# Altium PCB PCB2.PcbDoc
Units mil, origin at the board's own origin, x right, y up, seen from the top; angles counter-clockwise.
Board outline 3825 x 3280 mil, 2 copper layers (Top Layer, Bottom Layer); 34 components, 24 nets, 130 pads, 0 vias.
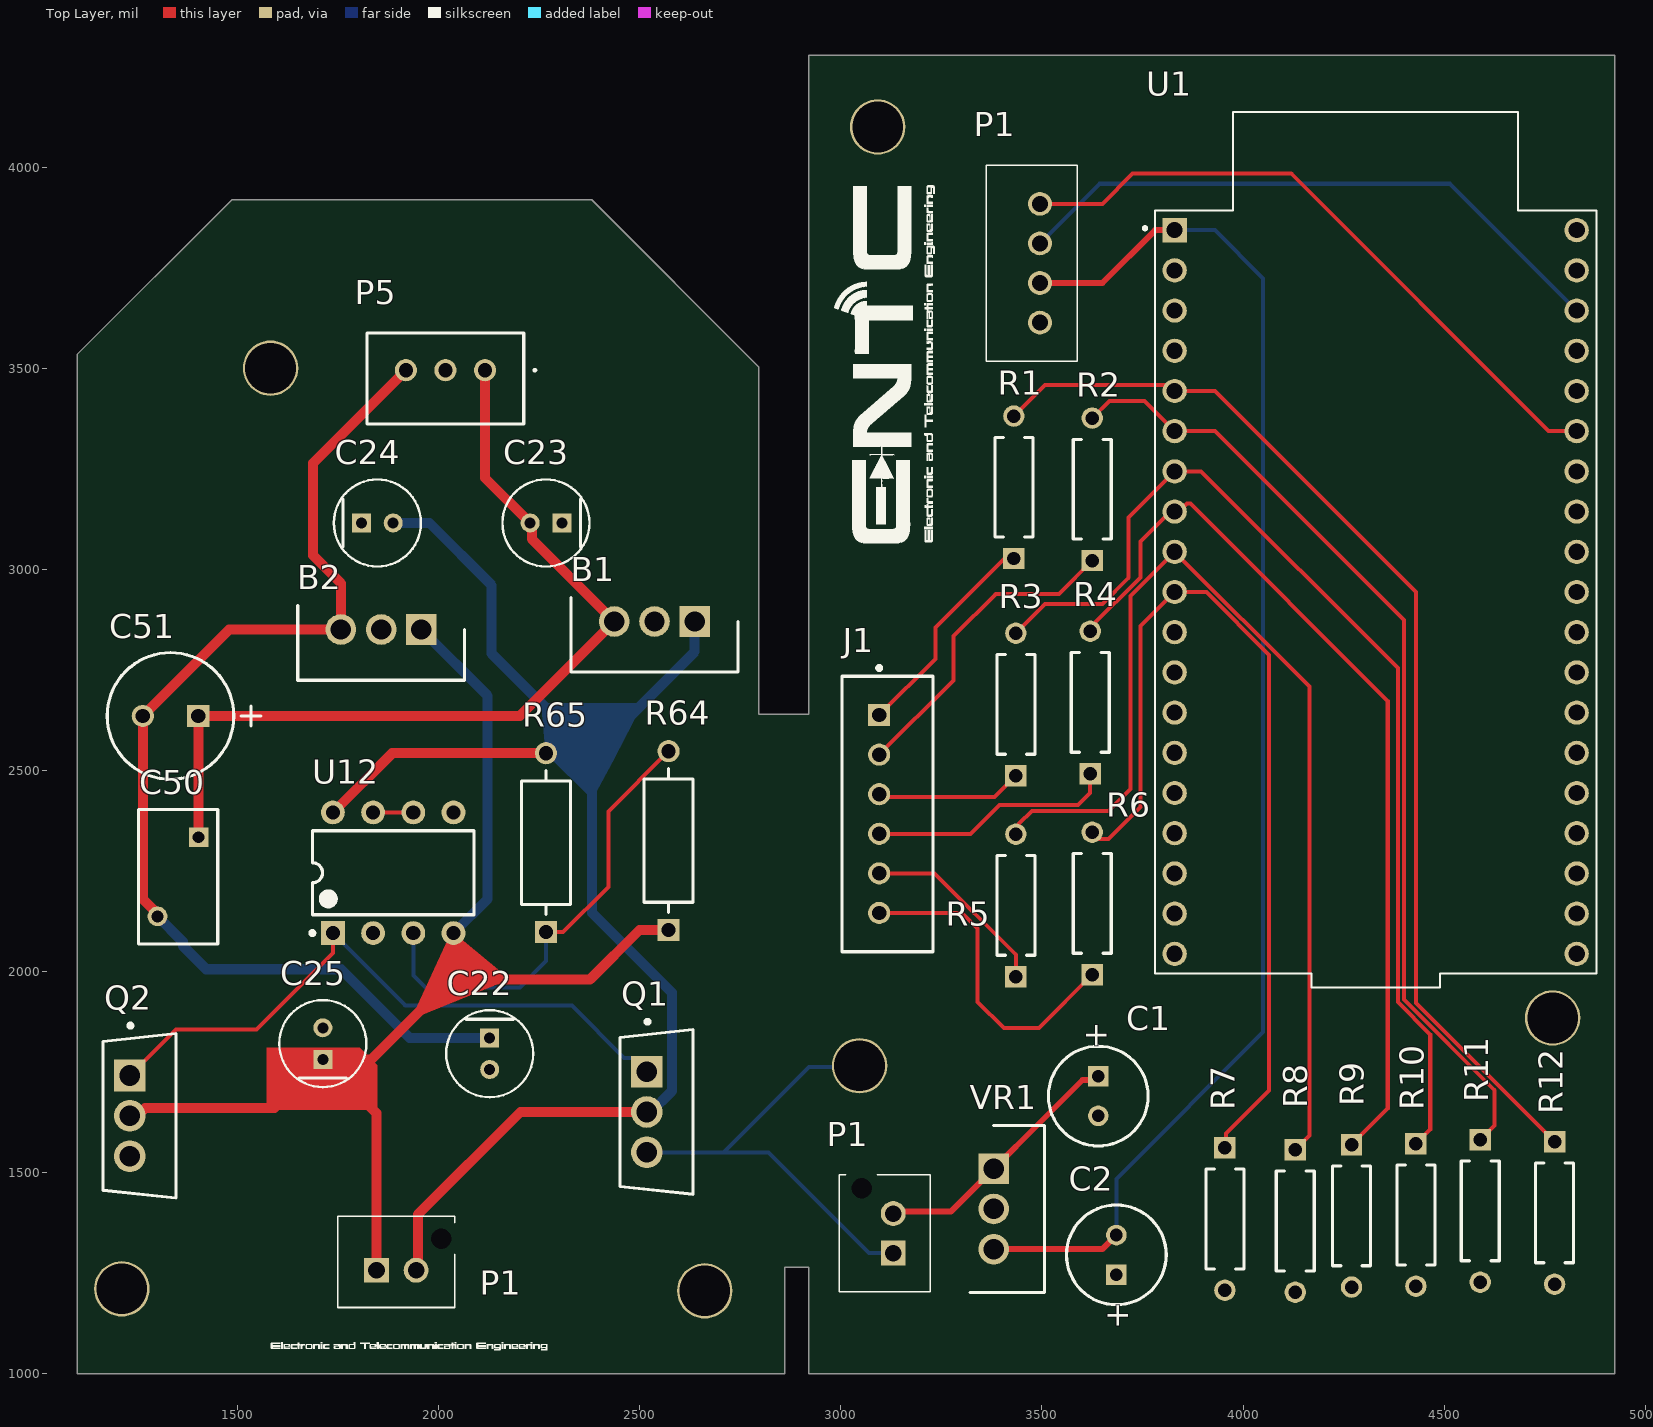
[diagram p0: Top Layer view]
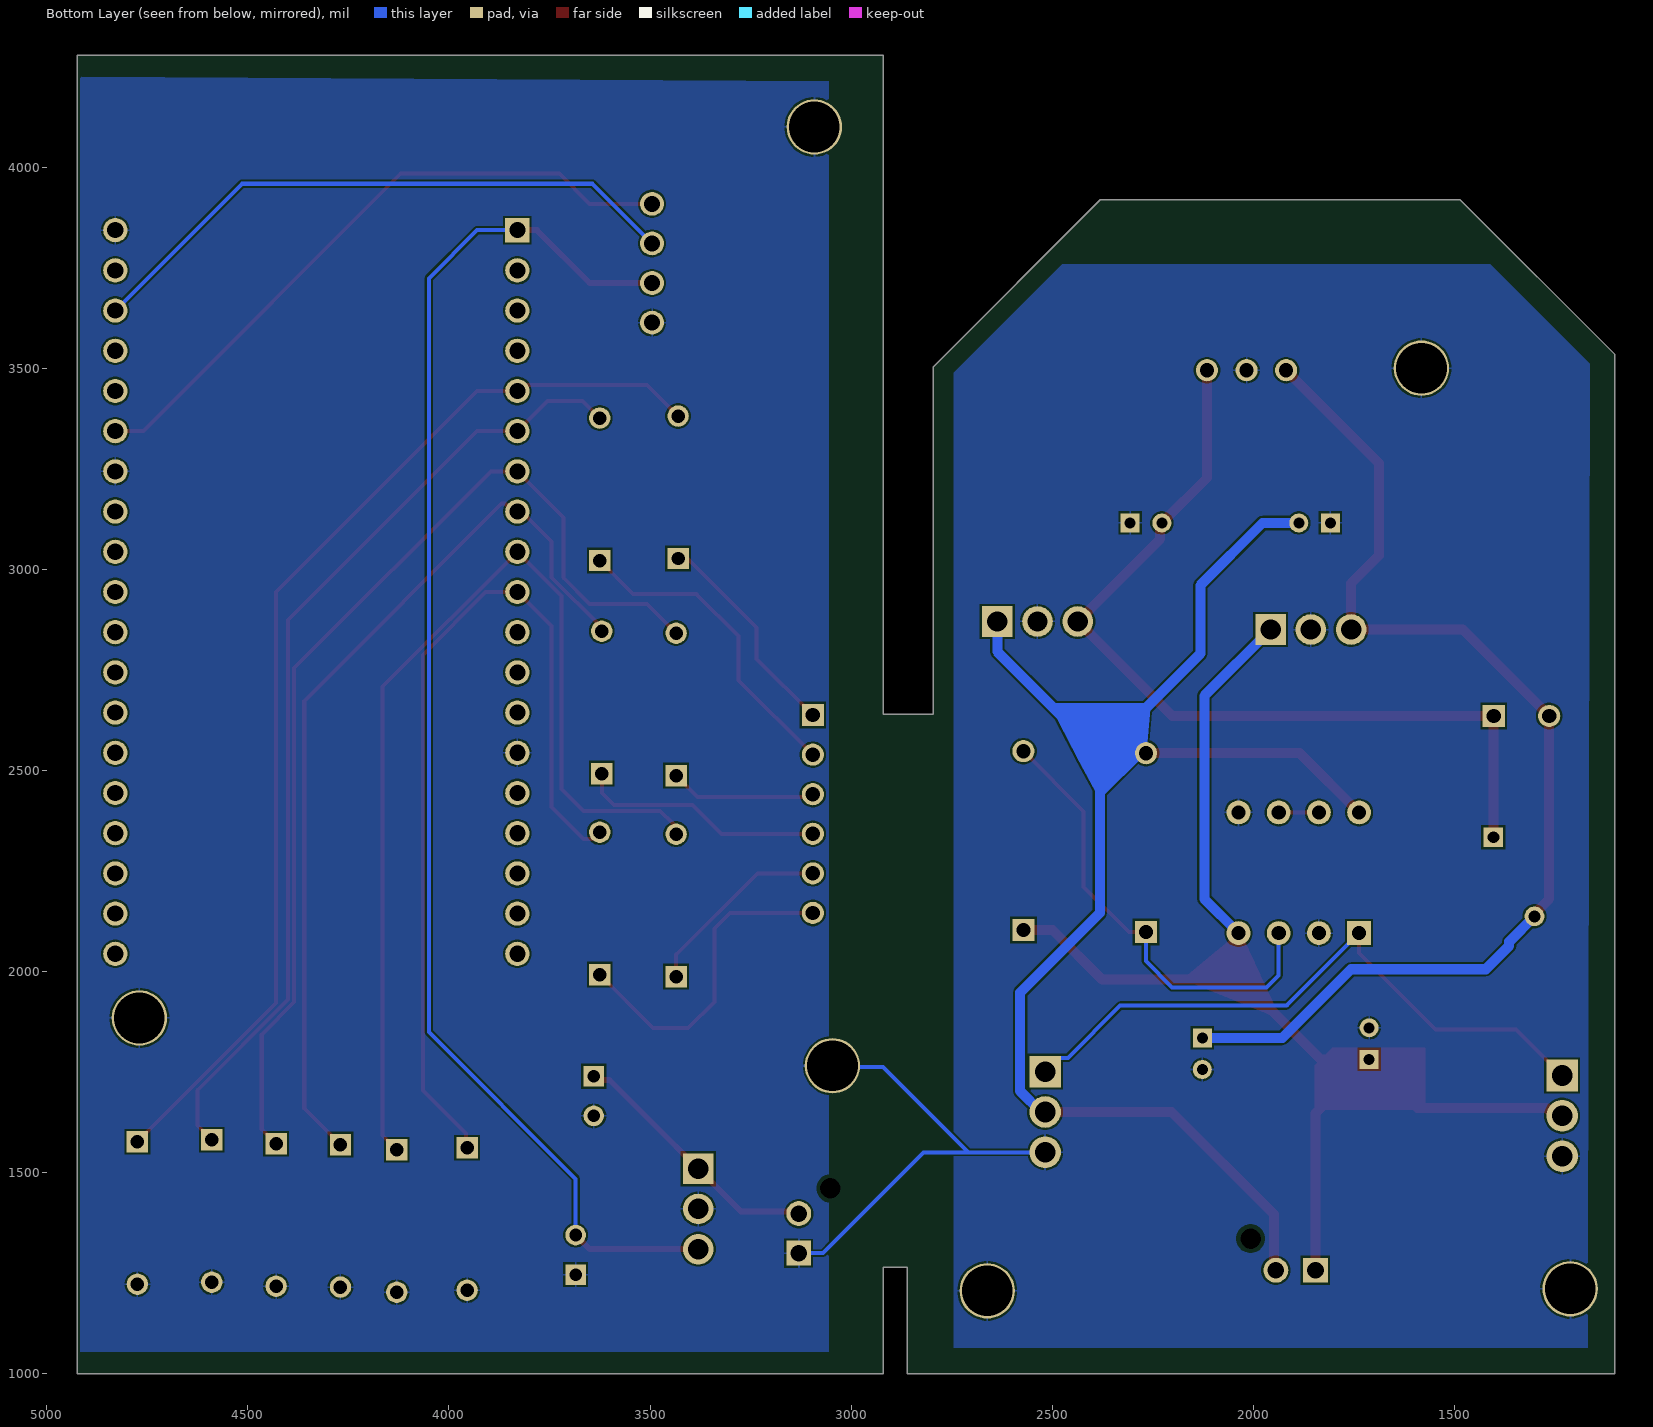
[diagram p1: Bottom Layer view, seen from below]
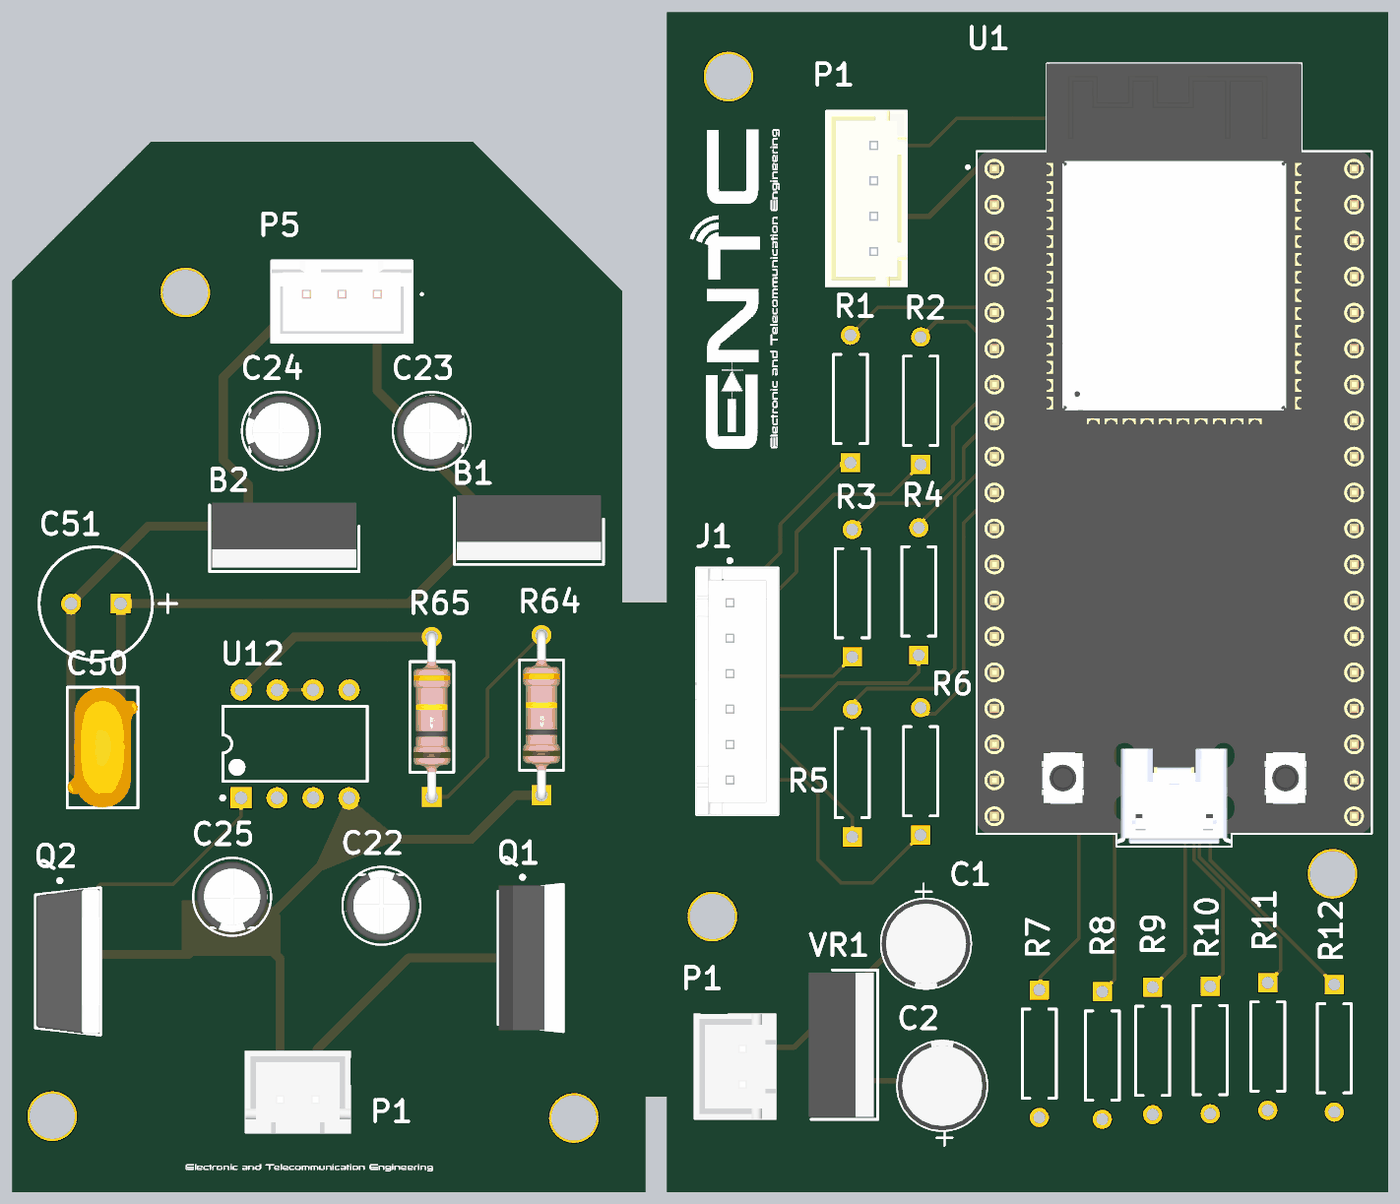
[diagram p2: 3D render of the assembled board from above, using the file's embedded part models]

## Layer stack, top to bottom
Top Solder: solder mask 0.4, Solder Resist, Dk 3.5
Top Layer: signal copper 1.4
Dielectric 1: dielectric 12.6, FR-4, Dk 4.8
Bottom Layer: signal copper 1.4
Bottom Solder: solder mask 0.4, Solder Resist, Dk 3.5

## Board outline
2860,1000 2860,1265 2920,1265 2920,1000 4925,1000 4925,4280 2920,4280 2920,2640 2795,2640 2795,3505 2380,3920 1485,3920 1100,3535 1100,1000

## Design rules (kind name [scope] priority, off if disabled: settings)
BoardOutlineClearance [All] p1: gap=7.87 ignorepadtopadclearanceinfootprint=FALSE
Clearance [All] p1: gap=5 ignorepadtopadclearanceinfootprint=FALSE except(9.84: Arc-Hole Track-Hole SMDPad-Hole THPad-Hole Via-Hole Fill-Hole Poly-Hole Region-Hole Text-Hole)
ComponentClearance [All] p1: gap=5 collisioncheckmode=3 verticalgap=5 showdistances=TRUE
DiffPairsRouting [All] p1: maxlimit=10 minlimit=5 mostfreqgap=5 toplayer_minwidth=5 toplayer_maxwidth=1000 toplayer_prefwidth=5 bottomlayer_minwidth=5 bottomlayer_maxwidth=1000 bottomlayer_prefwidth=5 maxuncoupledlength=500
Height [All] p1: minheight=0 maxheight=71497.94 prefheight=500
HoleSize [All] p1: absolutevalues=TRUE maxlimit=248.03 minlimit=11.81 maxpercent=80.000 minpercent=20.000
HoleToHoleClearance [All] p1: gap=9.84 allowstackedmicrovias=FALSE
MinimumAnnularRing [All] p1: minimumring=3
MinimumSolderMaskSliver [All] p1: minsoldermaskwidth=0
PlaneClearance [All] p1: clearance=5
PlaneConnect PlaneConnectPowerPads [InPadClass('PowerPads')] p1: planeconnectstyle=Direct reliefexpansion=20 reliefentries=4 reliefconductorwidth=10 reliefairgap=10
PlaneConnect [All] p2: pad.planeconnectstyle=Relief pad.reliefexpansion=11.81 pad.reliefentries=4 pad.reliefconductorwidth=5 pad.reliefairgap=5 via.planeconnectstyle=Direct via.reliefexpansion=11.81 via.reliefentries=4 via.reliefconductorwidth=5 via.reliefairgap=5
PolygonConnect PolygonConnectPowerPads [All vs (InPadClass('PowerPads'))] p1: connectstyle=Direct reliefconductorwidth=10 reliefentries=4 polygonreliefangle="90 Angle" airgapwidth=10
PolygonConnect [All] p2: thpad.connectstyle=Relief thpad.reliefconductorwidth=5 thpad.reliefentries=4 thpad.polygonreliefangle="90 Angle" thpad.airgapwidth=5 smdpad.connectstyle=Relief smdpad.reliefconductorwidth=5 smdpad.reliefentries=4 smdpad.polygonreliefangle="90 Angle" smdpad.airgapwidth=5 via.connectstyle=Direct via.reliefconductorwidth=5 via.reliefentries=4 via.polygonreliefangle="90 Angle" via.airgapwidth=5
RoutingVias [All] p1: holewidth=11.81 width=23.62 viastyle="Through Hole" minholewidth=11.81 minwidth=23.62 maxholewidth=23.62 maxwidth=259.84
SilkToSilkClearance [All] p1: silktosilkclearance=0
SilkToSolderMaskClearance [IsPad] p1: minsilkscreentomaskgap=5 clearancetoexposedcopper=TRUE
SolderMaskExpansion [All] p1: expansion=2.95 istentingtop=FALSE
Width Width_1 [InNet('V_POS')] p1: maxlimit=25 minlimit=10 preferedwidth=25 minimp=50.000000 maximp=50.000000 favimp=50.000000
Width Width_6 [InNet('V-')] p2: maxlimit=25 minlimit=10 preferedwidth=25 minimp=50.000000 maximp=50.000000 favimp=50.000000
Width Width_5 [InNet('V+')] p3: maxlimit=25 minlimit=10 preferedwidth=25 minimp=50.000000 maximp=50.000000 favimp=50.000000
Width Width_4 [InNet('V_NEG_POW')] p4: maxlimit=25 minlimit=10 preferedwidth=25 minimp=50.000000 maximp=50.000000 favimp=50.000000
Width Width_3 [InNet('V_NEG')] p5: maxlimit=25 minlimit=10 preferedwidth=25 minimp=50.000000 maximp=50.000000 favimp=50.000000
Width Width_2 [InNet('V_POS_POW')] p6: maxlimit=25 minlimit=10 preferedwidth=25 minimp=50.000000 maximp=50.000000 favimp=50.000000
Width [All] p7: maxlimit=25 minlimit=10 preferedwidth=10 minimp=50.000000 maximp=50.000000 favimp=50.000000
20 further rules are at their usual default settings.

## Classes and differential pairs
component class Power_Supply: B1 B2 C1 C2 C22 C23 C24 C25 C50 C51 J1 P1 P5 Q1 Q2 R1 R2 R3 R4 R5 R6 R7 R8 R9 R10 R11 R12 R64 R65 U1 U12 VR1

## Components (designator, comment, footprint, x,y, rotation, side; value= is the part's Value field where it differs from the comment)
B1 "LM7812CT" TO254P470X1028X1955-3P 2636.22,2871.22 r180 top
B2 "LM7812CT" TO254P470X1028X1955-3P 1956.22,2851.22 r180 top
C1 "" CAPPR55-250-1120X630X1220 3640,1690.79 r270 top value=0.33pF
C2 "" CAPPR55-250-1120X630X1220 3685,1295.79 r90 top value=0.1pF
C22 "EEUFC1H4R7B" FP-RAD-TH-D_5_0_5-L_11_1-MFG#1 2126.22,1796.22 r270 top
C23 "EEUFC1H4R7B" FP-RAD-TH-D_5_0_5-L_11_1-MFG#2 2266.22,3116.22 r180 top
C24 "EEUFC1H4R7B" FP-RAD-TH-D_5_0_5-L_11_1-MFG#1 1846.85,3116.22 r0 top
C25 "EEUFC1H4R7B" FP-RAD-TH-D_5_0_5-L_11_1-MFG#1 1711.22,1821.22 r90 top
C50 "18pF" FP-F471K33Y5RP6UK5R-MFG 1351.22,2236.22 r270 top
C51 "100uF" CAPPR65-350-1150X800X1250 1332.32,2636.22 r180 top
J1 "B6B-XH-A(LF)(SN)" FP-B6B-XH-A_LF_SN-MFG 3115.67,2392.36 r270 top
P1 "" B4BXHALFSN 3495,3614.72 r90 top
P1 "B2B-XH-AM_LF__SN_" B2BXHAMLFSN 3130,1300 r90 top
P1 "B2B-XH-AM_LF__SN_" B2BXHAMLFSN 1844.8,1257.48 r0 top
P5 "B3B-XH-A_LF__SN_" B3BXHALFSN 2114.65,3496.22 r180 top
Q1 "TIP31C" FP-TO-220-P0A0015988-MFG 2541.22,1651.22 r0 top
Q2 "TIP32C" FP-TO-220-P0A0015988-MFG 1255.14,1641.61 r0 top
R1 "MFR-25FBF52-221R" RESA60-630X240 3430,3205 r90 top value=5K
R2 "MFR-25FBF52-221R" RESA60-630X240 3625,3200 r90 top value=5K
R3 "MFR-25FBF52-221R" RESA60-630X240 3435,2665 r90 top value=5K
R4 "MFR-25FBF52-221R" RESA60-630X240 3620,2670 r90 top value=5K
R5 "MFR-25FBF52-221R" RESA60-630X240 3435,2165 r90 top value=5K
R6 "MFR-25FBF52-221R" RESA60-630X240 3625,2170 r90 top value=5K
R7 "MFR-25FBF52-221R" RESA60-630X240 3955,1385 r270 top value=5K
R8 "MFR-25FBF52-221R" RESA60-630X240 4130,1380 r270 top value=5K
R9 "MFR-25FBF52-221R" RESA60-630X240 4270,1392.83 r270 top value=5K
R10 "MFR-25FBF52-221R" RESA60-630X240 4430,1395 r270 top value=5K
R11 "MFR-25FBF52-221R" RESA60-630X240 4590,1405 r270 top value=5K
R12 "MFR-25FBF52-221R" RESA60-630X240 4775,1400 r270 top value=5K
R64 "100k 1W" FP-RR01-MFG 2571.22,2326.22 r90 top
R65 "100k 1W" FP-RR01-MFG 2266.22,2321.22 r90 top
U1 "ESP32-DEVKITC" MODULE_ESP32-DEVKITC 4330,2945 r0 top
U12 "LM358P" P0008A 1886.22,2246.22 r90 top
VR1 "LM3940IT-3.3_NOPB" TO254P470X1028X1955-3P 3380,1510 r270 top

## Footprints (in the part's own frame and the unit in brackets; to place one, negate y for a bottom-side part, rotate by r counter-clockwise, add the part's x,y. Pads: shape width x height; smd on the part's side, far side on the other; paste and mask are expansions set on the pad)
B2BXHAMLFSN [mm]
  rect 1.575x1.575 hole 1.05: 1(0,0)
  round 1.575 hole 1.05: 2(2.5,0)
  round 0.65 hole 1.3 unplated: MH1(4.1,2)
  silkscreen extent -2.45,-2.35 4.95,3.4, body extent -2.45,-2.36 4.95,3.39, height 6.9
B3BXHALFSN [mm]
  round 1.4 hole 0.9: 1(0,0) 2(2.5,0) 3(5,0)
  silkscreen extent -3.2,-2.35 7.45,3.4, body extent -2.45,-2.35 7.45,3.4, height 7.09
B4BXHALFSN [mm]
  round 1.5 hole 1: 1(0,0) 2(2.5,0) 3(5,0) 4(7.5,0)
  silkscreen extent -2.45,-2.35 9.95,3.4, body extent -2.45,-2.35 9.95,3.4, height 7.52
CAPPR55-250-1120X630X1220 [mm] "THD, 2-Leads, Dia 6.3mm, Pin Spacing 2.5mm"
  rect 1.3x1.3 hole 0.8: 1(-1.25,0)
  round 1.3 hole 0.8: 2(1.25,0)
  silkscreen extent -3.15,-3.15 3.15,3.15, body extent -3.15,-3.15 3.16,3.15, height 12.21
CAPPR65-350-1150X800X1250 [mm] "THD, 2-Leads, Dia 8mm, Body 11.5mm"
  rect 1.4x1.4 hole 0.9: 1(-1.75,0)
  round 1.4 hole 0.9: 2(1.75,0)
  silkscreen extent -5.72,-4 4,4, body extent -4,-4 4,4, height 12.5
FP-B6B-XH-A_LF_SN-MFG [mm]
  rect 1.4x1.4 hole 0.9 paste-1000 mask+0: 1(-6.25,-0.525)
  round 1.4 hole 0.9 paste-1000 mask+0: 2(-3.75,-0.525) 3(-1.25,-0.525) 4(1.25,-0.525) 5(3.75,-0.525) 6(6.25,-0.525)
  silkscreen extent -9.35,-2.88 8.7,2.88, body extent -8.8,-2.98 8.8,2.98, height 0.25
FP-F471K33Y5RP6UK5R-MFG [mm]
  rect 1.25x1.25 hole 0.75 paste-1000 mask+0: 1(-2.5,1.3)
  round 1.25 hole 0.75 paste-1000 mask+0: 2(2.5,-1.3)
  silkscreen extent -4.25,-2.5 4.25,2.5, body extent -4.35,-2.6 4.35,2.6, height 0.25
FP-RAD-TH-D_5_0_5-L_11_1-MFG#1 [mm]
  rect 1.2x1.2 hole 0.7 paste-1000 mask+0: 1(-1,0)
  round 1.2 hole 0.7 paste-1000 mask+0: 2(1,0)
  silkscreen extent -2.75,-2.75 2.75,2.75, body extent -2.85,-2.85 2.85,2.85, height 0.25
FP-RAD-TH-D_5_0_5-L_11_1-MFG#2 [mm]
  rect 1.2x1.2 hole 0.7 paste-1000 mask+0: 1(-1,0)
  round 1.2 hole 0.7: 2(1,0)
  silkscreen extent -2.75,-2.75 2.75,2.75, body extent -2.85,-2.85 2.85,2.85, height 0.25
FP-RR01-MFG [mm]
  rect 1.4x1.4 hole 0.9 paste-1000 mask+0: 1(-5.65,0)
  round 1.4 hole 0.9 paste-1000 mask+0: 2(5.65,0)
  silkscreen extent -4.55,-1.55 4.55,1.55, body extent -6.45,-1.65 6.45,1.65, height 0.25
FP-TO-220-P0A0015988-MFG [mm]
  rect 2x2 hole 1.3 paste-1000 mask+0: 1(-0.607,2.55)
  round 2 hole 1.3 paste-1000 mask+0: 2(-0.607,0) 3(-0.607,-2.55)
  silkscreen extent -2.3,-5.2 2.3,5.82, body extent -2.4,-5.3 2.4,5.3, height 0.25
MODULE_ESP32-DEVKITC [mm]
  rect 1.53x1.53 / inner round 1.53 / far side rect 1.53x1.53 hole 1.02: 1(-12.7,22.85)
  round 1.53 hole 1.02: 2(-12.7,20.31) 3(-12.7,17.77) 4(-12.7,15.23) 5(-12.7,12.69) 6(-12.7,10.15) 7(-12.7,7.61) 8(-12.7,5.07) 9(-12.7,2.53) 10(-12.7,-0.01) 11(-12.7,-2.55) 12(-12.7,-5.09) 13(-12.7,-7.63) 14(-12.7,-10.17) 15(-12.7,-12.71) 16(-12.7,-15.25) 17(-12.7,-17.79) 18(-12.7,-20.33) 19(-12.7,-22.87) 20(12.7,-22.87) 21(12.7,-20.33) 22(12.7,-17.79) 23(12.7,-15.25) 24(12.7,-12.71) 25(12.7,-10.17) 26(12.7,-7.63) 27(12.7,-5.09) 28(12.7,-2.55) 29(12.7,-0.01) 30(12.7,2.53) 31(12.7,5.07) 32(12.7,7.61) 33(12.7,10.15) 34(12.7,12.69) 35(12.7,15.23) 36(12.7,17.77) 37(12.7,20.31) 38(12.7,22.85)
  silkscreen extent -14.67,-25 13.95,30.3, body extent -13.97,-24.8 13.97,30.3, height 3.25
P0008A [mm] "DIP, 8-Leads, Body 10.15x6.6mm, Pitch 2.54mm"
  rect 1.5x1.5 hole 0.9: 1(-3.81,3.81)
  round 1.5 hole 0.9: 2(-3.81,1.27) 3(-3.81,-1.27) 4(-3.81,-3.81) 5(3.81,-3.81) 6(3.81,-1.27) 7(3.81,1.27) 8(3.81,3.81)
  silkscreen extent -3.93,-5.1 2.65,5.23, body extent -3.95,-5.07 3.95,5.07, height 5.08
RESA60-630X240 [mm] "Axial Resistor, 2-Leads, Dia 2.4mm, Body Length 6.3mm"
  rect 1.35x1.35 hole 0.85: 1(-4.5,0)
  round 1.35 hole 0.85: 2(4.5,0)
  silkscreen extent -3.15,-1.2 3.15,1.2, body extent -4.77,-1.19 4.77,1.2, height 2.4
TO254P470X1028X1955-3P [mm]
  rect 1.935x1.935 hole 1.29: 1(0,0)
  round 1.935 hole 1.29: 2(2.54,0) 3(5.08,0)
  silkscreen extent -2.73,-1.5 7.81,3.2, body extent -2.54,-1.67 7.62,2.9, height 18.64

## Part data
B1 B2: "Integrated Circuit", Manufacturer_Name="Texas Instruments", Mouser Part Number=926-LM7812CT, Datasheet Link=http://www.ti.com/lit/ds/symlink/lm7800.pdf, Height=4.7mm, Manufacturer_Part_Number=LM7812CT, Mouser Price/Stock=https://www.mouser.co.uk/ProductDetail/Texas-Instruments/LM7812CT?qs=QbsRYf82W3EQj7KGft8TFg%3D%3D
C1 C2: library part CMP-001-00031-7, "Aluminum Electrolytic Capacitor, 47 uF, +/-20%, 50 V, -40 to 85 degC, 2-Pin THD, RoHS, Bulk", Capacitor Type=Electrolytic, Case/Package=Radial, Manufacturer=Panasonic, Max Operating Temperature=85°C, Min Operating Temperature=-40°C, Package Description="2-Pin Radial Lead, Dia 6.3 mm, Height 12.2 mm", Package Quantity=200, Package Reference=CAPPR55-250-1120X630X1220, Ripple Current=130mA, Tolerance=20%, Voltage Rating=50V, Datasheet URL=https://industrial.panasonic.com/cdbs/www-data/pdf/RDF0000/DMF0000COL72.pdf, Datasheet Version=Apr-16, Diameter=6.3mm, Lead Pitch=2.5mm, Manufacturer URL=http://www.panasonic.com/, Mounting Technology=TH, Packaging=Bulk, Pins=2, Ripple Current (AC)=130mA, RoHS Compliant=True
C22 C23 C24 C25: library part CMP-05427-000609-1, "Aluminum Electrolytic Capacitors (Radial Lead Type) AEC-Q200 Qualified 4.7uF ±20% 50V", Case/Package=Radial, ESR (Equivalent Series Resistance)=1.3R, Max Operating Temperature=105°C, Min Operating Temperature=-55°C, Package Quantity=2000, Ratings=AEC-Q200, Ripple Current=95mA, Tolerance=20%, Voltage Rating=50V, Contact Plating=Tin, Diameter=5mm, Features="General Purpose", Height=11mm, Height - Seated (Max)=0.472inch, Impedance=1.3R, Lead Diameter=0.5mm, Lead Pitch=5mm, Length=11mm, Life (Hours)=1000Hour, Mount="Through Hole", Packaging="Tape and Reel", Polarity=Polar, Radiation Hardening=No, RoHS Compliant=Yes, Series=FC, Termination=Radial, Voltage Rating (DC)=50V
C50: library part CMP-02417-000080-1, "CAP CER 470PF 2KV Y5R RADIAL", Capacitance=470pF, Case/Package=Radial, Dielectric=Y5R, Dielectric Material=Ceramic, Insulation Resistance=10GR, Max Operating Temperature=125°C, Min Operating Temperature=-30°C, Package Quantity=1500, Tolerance=10%, Voltage=2kV, Construction=RADIAL, Depth=5mm, Lead Diameter=0.8mm, Lead Pitch=5mm, Lead/Base Style=Kinked, Length=8.5mm, Mount="Through Hole", Packaging="Tape and Reel", Radiation Hardening=No, Resistor Type=Ceramic, RoHS Compliant=Yes, Series=F, Termination=Radial, Voltage Rating=2kV
C51: library part CMP-1665-00042-2, "Aluminum Electrolytic Capacitor, 100 uF, +/- 20%, 50 V, -40 to 85 degC, 2-Pin THD, RoHS, Bulk", Case/Package=Radial, Dielectric Material=Aluminium, Leakage Current=3uA, Manufacturer=Panasonic, Max Operating Temperature=85degC, Min Operating Temperature=-40degC, Package Description="2-Pin Radial Lead, Dia 8 mm, Height 12.5 mm", Package Quantity=200, Package Reference=CAPPR65-350-1150X800X1250, Ripple Current=250mA, Tolerance=20%, Voltage=50V, Capacitance=100uF, Datasheet URL=https://industrial.panasonic.com/cdbs/www-data/pdf/RDF0000/ABA0000C1218.pdf, Datasheet Version="Rev. 05, 10/2016", Diameter=8mm, Dissipation Factor=0.12%, Height=11.5mm, Height - Seated (Max)=0.492inch, Lead Diameter=0.6mm, Lead Free=LeadFree, Lead Pitch=3.5mm, Lead/Base Style=Straight, Length=11.5mm, Life (Hours)=2000Hour, Manufacturer URL=http://www.panasonic.com/, Mount=ThroughHole, Number of Pins=2, Packaging=Bulk, Polarity=Polar, Radiation Hardening=No, REACH SVHC=NoSVHC, Ripple Current (AC)=250mA, RoHSCompliant=true, Termination=Radial, Voltage Rating=50V, Voltage Rating (DC)=50V
J1: library part CMP-17439-000076-1, "CONN HEADER VERT 6POS 2.5MM"
P1: library part B4B-XH-A_LF__SN_, "Connector", Arrow Part Number=B4B-XH-A(LF)(SN), Manufacturer_Name="JST (JAPAN SOLDERLESS TERMINALS)", Arrow Price/Stock=https://www.arrow.com/en/products/b4b-xh-a-lf-sn/jst-manufacturing?region=europe, Datasheet Link=https://datasheet.lcsc.com/szlcsc/JST-Sales-America-B4B-XH-A-LF-SN_C144395.pdf, Height=7mm, Manufacturer_Part_Number=B4B-XH-A(LF)(SN)
P1 P1: "Connector", Arrow Part Number=B2B-XH-AM(LF)(SN), Manufacturer_Name="JST (JAPAN SOLDERLESS TERMINALS)", Arrow Price/Stock=https://www.arrow.com/en/products/b2b-xh-am-lf-sn/jst-manufacturing?region=europe, Datasheet Link=https://www.jst-mfg.com/product/pdf/eng/eXH.pdf, Height=7mm, Manufacturer_Part_Number=B2B-XH-AM(LF)(SN)
P5: "Connector", Arrow Part Number=B3B-XH-A(LF)(SN), Manufacturer_Name="JST (JAPAN SOLDERLESS TERMINALS)", Arrow Price/Stock=https://www.arrow.com/en/products/b3b-xh-a-lf-sn/jst-manufacturing?region=europe, Datasheet Link=https://datasheet.lcsc.com/szlcsc/1812131720_JST-Sales-America-B3B-XH-A-LF-SN_C144394.pdf, Height=7mm, Manufacturer_Part_Number=B3B-XH-A(LF)(SN)
Q1: library part CMP-12195-000001-1, "TRANS NPN 100V 3A TO-220", Collector Base Voltage=100V, Collector Emitter Saturation Voltage=1.2V, Emitter Base Voltage=5V, Manufacturer=STMicroelectronics, Max Collector Current=3A, Max Junction Temp=+150°C, Package=TO-220-P0A0015988, Power Dissipation=2W, Temperature="to +150°C", Automotive=No, Category=Trans, Collector Emitter Voltage=100V, ComponentLink2Description=Datasheet, ComponentLink2URL=https://www.st.com/resource/en/datasheet/tip31c.pdf, Device Class L1="Discrete Semiconductors", Device Class L2=Transistors, Device Class L3=BJTs, Digikey Description="TRANS NPN 100V 3A TO-220", Height=19.68mm, Hfe Max=50, Hfe Min=10, Hfe Testic=3A, Hfe Testvce=4V, Lead Free=Yes, Manufacturer Part Number=TIP31C, Mouser Description="Bipolar Transistors - BJT NPN Gen Pur Power", Number Of Elements=1, Number Of Npn=1, Octopart=https://octopart.com/tip31c-stmicroelectronics-15555, RoHS=TRUE, Standoff Height=3.5mm, Temperature Range High=+150°C
Q2: library part CMP-12195-000005-1, "TRANS PNP 100V 3A TO-220", Collector Base Voltage=-100V, Collector Emitter Saturation Voltage=-1.2V, Emitter Base Voltage=-5V, Manufacturer=STMicroelectronics, Max Collector Current=-3A, Max Junction Temp=+150°C, Package=TO-220-P0A0015988, Power Dissipation=2W, Temperature="to +150°C", Automotive=No, Category=Trans, Collector Emitter Voltage=-100V, ComponentLink2Description=Datasheet, ComponentLink2URL=https://www.st.com/resource/en/datasheet/tip32c.pdf, Device Class L1="Discrete Semiconductors", Device Class L2=Transistors, Device Class L3=BJTs, Digikey Description="TRANS PNP 100V 3A TO-220", Height=19.68mm, Hfe Max=50, Hfe Min=10, Hfe Testic=-3A, Hfe Testvce=-4V, Lead Free=Yes, Manufacturer Part Number=TIP32C, Mouser Description="Original ST Microelectronics Transistor, 100V, 3A, .22 Ohm, TO-220 Package", Number Of Elements=1, Number Of Pnp=1, Octopart=https://octopart.com/tip32c-stmicroelectronics-353617, RoHS=TRUE, Standoff Height=3.5mm, Temperature Range High=+150°C
R1 R2 R3 R4 R5 R6 R7 R8 R9 R10 R11 R12: library part CMP-009-00051-4, Case/Package=Axial, Manufacturer=Yageo, Max Operating Temperature=155°C, Min Operating Temperature=-55°C, Package Description="2-Pin Axial Lead, Dia 2.4 mm, Body Length 6.3 mm", Package Quantity=200, Package Reference=MFR-25, Power=250mW, Tolerance=1%, Voltage Rating=250V, Datasheet URL=http://www.yageo.com/documents/recent/Yageo%20LR_MFR_2013.pdf, Datasheet Version=Apr-13, Manufacturer URL=http://www.yageo.com/, Mounting Technology=TH, Packaging=Bulk, RoHS Compliant=True
R64 R65: library part CMP-03212-000008-1, "RES 100K OHM 5% 1W AXIAL", Case/Package=Metal, Max Operating Temperature=155°C, Min Operating Temperature=-55°C, Number of Resistors=1, Package Quantity=5000, Power Rating=1W, Resistance=100kR, Resistor Type="Power resistor", Temperature Coefficient=300ppm/°C, Tolerance=5%, Voltage Rating=350V, Diameter=2.6mm, ELV=Compliant, Length=6.8mm, Mount=Axial, Number of Terminations=2, Packaging="Ammo Pack", RoHS Compliant=Yes, Series=RR, Termination=Axial
U1: library part CMP-035-000000-1, "ESP32-WROOM-32UE series Transceiver; 802.11 b/g/n (Wi-Fi, WiFi, WLAN), Bluetooth Â® Smart Ready 4.x Dual Mode Evaluation Board", Package=None, Availability="In Stock", Check_prices=https://www.snapeda.com/parts/ESP32-DEVKITC/Espressif+Systems/view-part/?ref=eda, Component Type=Standard, Design Item ID=ESP32-DEVKITC, MF="Espressif Systems", MP=ESP32-DEVKITC, Pin Count=38, Price=None, Purchase-URL=https://pricing.snapeda.com/search/part/ESP32-DEVKITC/?ref=eda, SnapEDA_Link=https://www.snapeda.com/parts/ESP32-DEVKITC/Espressif+Systems/view-part/?ref=snap, Source=ESP32-DEVKITC.SchLib
U12: library part CMP-2000-06549-1, "Dual Operational Amplifier, 3 to 32 V, 0 to 70 degC, 8-Pin PDIP (P), RoHS, Tape and Reel", Manufacturer="Technik Industrial", Package Description="8-Pin Double In-line Package, Body 9.59 x 6.35 mm, Pitch 2.54 mm", Package Reference=P8, Datasheet URL=http://www.ti.com/lit/ds/symlink/lm358.pdf, Datasheet Version="Rev. T, 04/2015", Manufacturer URL=http://www.technik.com.hk/, Mounting Technology=ThroughHole, Package URL=http://www.ti.com/lit/ml/mpdi001b/mpdi001b.pdf
VR1: "Integrated Circuit", Arrow Part Number=LM3940IT-3.3/NOPB, Manufacturer_Name="Texas Instruments", Mouser Part Number=926-LM3940IT-3.3NOPB, Arrow Price/Stock=https://www.arrow.com/en/products/lm3940it-3.3nopb/texas-instruments?region=nac, Datasheet Link=http://www.ti.com/general/docs/lit/getliterature.tsp?genericPartNumber=LM3940&&fileType=pdf, Height=4.7mm, Manufacturer_Part_Number=LM3940IT-3.3/NOPB, Mouser Price/Stock=https://www.mouser.co.uk/ProductDetail/Texas-Instruments/LM3940IT-3.3-NOPB?qs=QbsRYf82W3FGrjqcSAbcdA%3D%3D

## Free pads (board coordinates)
  round 137.8 hole 125.98: 4(1211.22,1211.22) 4(1581.22,3501.22) 4(2661.22,1206.22) 4(3046.22,1766.22) 4(3091.22,4101.22) 4(4770,1885)

## Nets (pads, with @x,y where several pads share a name; then routed paths per layer and width w, separated by ;. In a path a pad name is that pad's centre, name@x,y a point inside that pad or via, vN(x,y) a via of type N, cw(c..) or ccw(c..) an arc to the next point about the centre after c; other vN are vias at no path point)
3.3V: C2.2 P1.2@3495,3713.15 U1.1 VR1.3 | length 3509.4
  Top Layer w15: VR1.3 3650,1310 C2.2 ; P1.2@3495,3713.15 3650,3713.15 3781.46,3844.61 U1.1
  Bottom Layer w10: C2.2 3685,1485 4050,1850 4050,3724.61 3930,3844.61 U1.1
GND: B1.2 B2.2 C1.2 C2.1 C22.2 C23.1 C24.1 C25.2 P1.1@3130,1300 P1.1@3495,3614.72 P5.2 pad.4 Q1.3 Q2.3 R7.2 R8.2 R9.2 R10.2 R11.2 R12.2 U1.14 U1.32 U1.38 U12.2 U12.5 VR1.2 | length 1147.5
  Bottom Layer w10: Q1.3 2707.76,1550.83 ; 2814.17,1550.83 2707.76,1550.83 ; 2819.17,1550.83 2825,1545 3070,1300 P1.1@3130,1300 ; pad.4@3037.99,1822.01 pad.4@3046.22,1822.01 ; pad.4@3046.22,1766.22 3042.95,1762.95 2919.88,1762.95 2707.76,1550.83
mainout: J1.1 R1.1 | length 542.1
  Top Layer w10: J1.1 3235,2778.43 3235,2856.67 3406.16,3027.83 R1.1
NetC1_1: C1.1 P1.2@3130,1398.43 VR1.1 | length 649.4
  Top Layer w15: P1.2@3130,1403.43 3273.43,1403.43 3600.7,1730.7 3630.7,1730.7 C1.1
NetP1_3: P1.3 U1.36 | length 1527.1
  Bottom Layer w10: P1.3 3643.43,3960 4514.61,3960 U1.36
NetP1_4: P1.4 U1.33 | length 1631.3
  Top Layer w10: P1.4 3650,3910 3725,3985 4120,3985 4760.39,3344.61 U1.33
NetQ1_1: Q1.1 Q2.1 U12.1 | length 1604.8
  Top Layer w10: Q2.1 1345.43,1856.22 1546.22,1856.22 1736.22,2046.22 U12.1
  Bottom Layer w10: U12.1 1916.22,1916.22 2330.4,1916.22 2460.63,1785.98 2482.93,1785.98 Q1.1
NetR64_2: R64.2 R65.1 U12.3 | length 1161.3
  Top Layer w10: U12.3 U12.3@1945.61,2105.61 ; R65.1 2308.78,2098.78 2421.22,2211.22 2421.22,2398.66 R64.2
  Bottom Layer w10: U12.3 1936.22,1991.22 1966.22,1961.22 2201.22,1961.22 2266.22,2026.22 R65.1
NetU12_6: U12.6 U12.7 | length 100
  Top Layer w10: U12.7 U12.6
out1: J1.2 R2.1 | length 794.4
  Top Layer w10: J1.2 3280,2725 3280,2835 3385,2940 3542.17,2940 R2.1
out2: J1.3 R3.1 | length 364.6
  Top Layer w10: J1.3 3101.57,2435 3382.17,2435 R3.1
out3: J1.4 R4.1 | length 615
  Top Layer w10: J1.4 3322.68,2343.15 3394.53,2415 3590,2415 3620,2445 R4.1
out4: J1.5 R5.1 | length 478.3
  Top Layer w10: J1.5 3232.56,2244.72 3435,2042.28 R5.1
out5: J1.6 R6.1 | length 810.7
  Top Layer w10: J1.6 3301.54,2146.3 3340,2107.83 3340,1925 3405,1860 3492.17,1860 R6.1
regout1: R2.2 R11.1 U1.6 | length 2419.4
  Top Layer w10: R2.2 3667.83,3420 3754.61,3420 U1.6 3930,3344.61 4400,2874.61 4400,1930.95 4625.72,1705.24 4625.72,1617.88 R11.1
regout2: R3.2 R10.1 U1.7 | length 2638.2
  Top Layer w10: R3.2 3507.83,2915 3650,2915 3715,2980 3715,3129.61 U1.7 3895.39,3244.61 4385,2755 4385,1924.74 4465.72,1844.02 4465.72,1607.88 R10.1
regout3: R4.2 R9.1 U1.8 | length 2272.5
  Top Layer w10: R4.2 3620,2855.82 3745,2980.82 3745,3070 3824.8,3149.8 3846.65,3149.8 3860.98,3164.13 3869.26,3164.13 4360,2673.39 4360,1660 R9.1
regout4: R5.2 R8.1 U1.9 | length 2618.1
  Top Layer w10: R5.2 3443.26,2350.42 3443.26,2368.26 3475,2400 3665,2400 3720,2455 3720,2934.61 U1.9 4165,2709.61 4165,1592.17 R8.1
regout5: R6.2 R7.1 U1.10 | length 2294.4
  Top Layer w10: R6.2@3625,2330 3665,2330 3745,2410 3745,2859.61 U1.10 3908.79,2944.61 4065,2788.39 4065,1705 3957.88,1597.88 3957.88,1565.05 R7.1
regoutmain: R1.2 R12.1 U1.5 | length 2749.7
  Top Layer w10: R1.2 3507.83,3460 U1.5@3830,3460 ; U1.5 3930,3444.61 4430,2944.61 4430,1922.17 R12.1
V+: B1.1 C24.2 P1.2@1943.23,1257.48 Q1.2 R65.2 U12.8 | length 3791.5
  Top Layer w25: U12.8 1883.66,2543.66 R65.2 ; P1.2@1943.23,1257.48 1947.58,1261.83 1947.58,1396.22 2202.58,1651.22 Q1.2
  Bottom Layer w25: C24.2 1976.22,3116.22 2131.22,2961.22 2131.22,2791.22 2378.78,2543.66 ; R65.2 2378.78,2543.66 ; Q1.2 2527.47,1651.22 2579.17,1702.92 2579.17,1948.27 2381.22,2146.22 2381.22,2541.22 ; B1.1 2636.22,2796.22 2381.22,2541.22 ; 2378.78,2543.66 2381.22,2541.22
V-: B2.1 C25.1 P1.1@1844.8,1257.48 Q2.2 R64.1 U12.4 | length 3086.8
  Top Layer w25: Q2.2 1249.82,1641.61 1269.43,1661.22 1590.59,1661.22 C25.1 ; P1.1@1844.8,1257.48 1844.8,1648.27 C25.1 ; U12.4 2036.22,1986.22 2031.22,1981.22 ; R64.1 2498.78,2103.78 2376.22,1981.22 2031.22,1981.22 ; C25.1 1831.85,1781.85 2031.22,1981.22
  Bottom Layer w25: B2.1 2121.22,2686.22 2121.22,2181.22 U12.4
V_NEG_POW: B2.3 C22.1 C50.2 C51.2 P5.3 | length 2822.5
  Top Layer w25: C50.2 1300.04,2144.35 1263.42,2180.96 C51.2 1478.42,2851.22 B2.3 1756.22,2966.22 1686.58,3035.86 1686.58,3265 P5.3
  Bottom Layer w25: C50.2 1362.95,2074.89 1362.95,2064.49 1421.22,2006.22 1756.22,2006.22 1926.85,1835.59 C22.1
V_POS_POW: B1.3 C23.2 C50.1 C51.1 P5.1 | length 2193
  Top Layer w25: C50.1 1401.81,2335.24 1401.81,2635.63 C51.1 2201.22,2636.22 B1.3 2231.11,3076.33 2231.11,3111.96 C23.2 2114.65,3228.42 P5.1
  Bottom Layer w10: C23.2@2226.53,3115.91 C23.2
pads on no net: P1.MH1 U1.2 U1.3 U1.4 U1.11 U1.12 U1.13 U1.15 U1.16 U1.17 U1.18 U1.19 U1.20 U1.21 U1.22 U1.23 U1.24 U1.25 U1.26 U1.27 U1.28 U1.29 U1.30 U1.31 U1.34 U1.35 U1.37

## Polygon pours and split planes (outlines as drawn)
GND on Bottom Layer "GND_L02_P001" (solid, pour order 1): 3055,4214.94 3055,1055 4925,1055 4925,4226.2
GND on Bottom Layer "GND_L02_P000" (solid, pour order 0): 1162.25,3512.25 1410,3760 2475,3760 2745,3490 2745,1065 1167.5,1065

## Other copper
Top Layer:
  region net V-: 1571.22,1656.22 1846.22,1656.22 1846.22,1767.48 1802.48,1811.22 1571.22,1811.22
  region net V-: 1931.54,1881.54 2031.29,2100.99 2176.22,1981.22
Bottom Layer:
  region net V+: 2266.22,2543.66 2381.22,2428.66 2431.22,2521.22 2507.44,2667.44 2255,2667.44

## Silkscreen, mask and mechanical layers (free items; w line width, h text height)
Top Overlay:
  drawing of 98 lines, arcs and shapes, not listed
Mechanical 13:
  lines w15: 2920,2640 2795,2640 2795,3500 2380,3915 1485,3915 1100,3530 1100,1005 2860,1005 2860,1265 2920,1265 2920,1000 4923.07,1000 4923.07,4280 2920,4280 ; 2920,2645 2920,4285

## Text inside footprints (layer, text, board x,y; h text height)
C1: Top Overlay "+" at 3610.47,1875.81 h59.06 r270
C2: Top Overlay "+" at 3714.53,1110.76 h59.06 r90